# Altium PCB TEBF0808ASCII.PcbDoc (part 3 of 10) (continued)
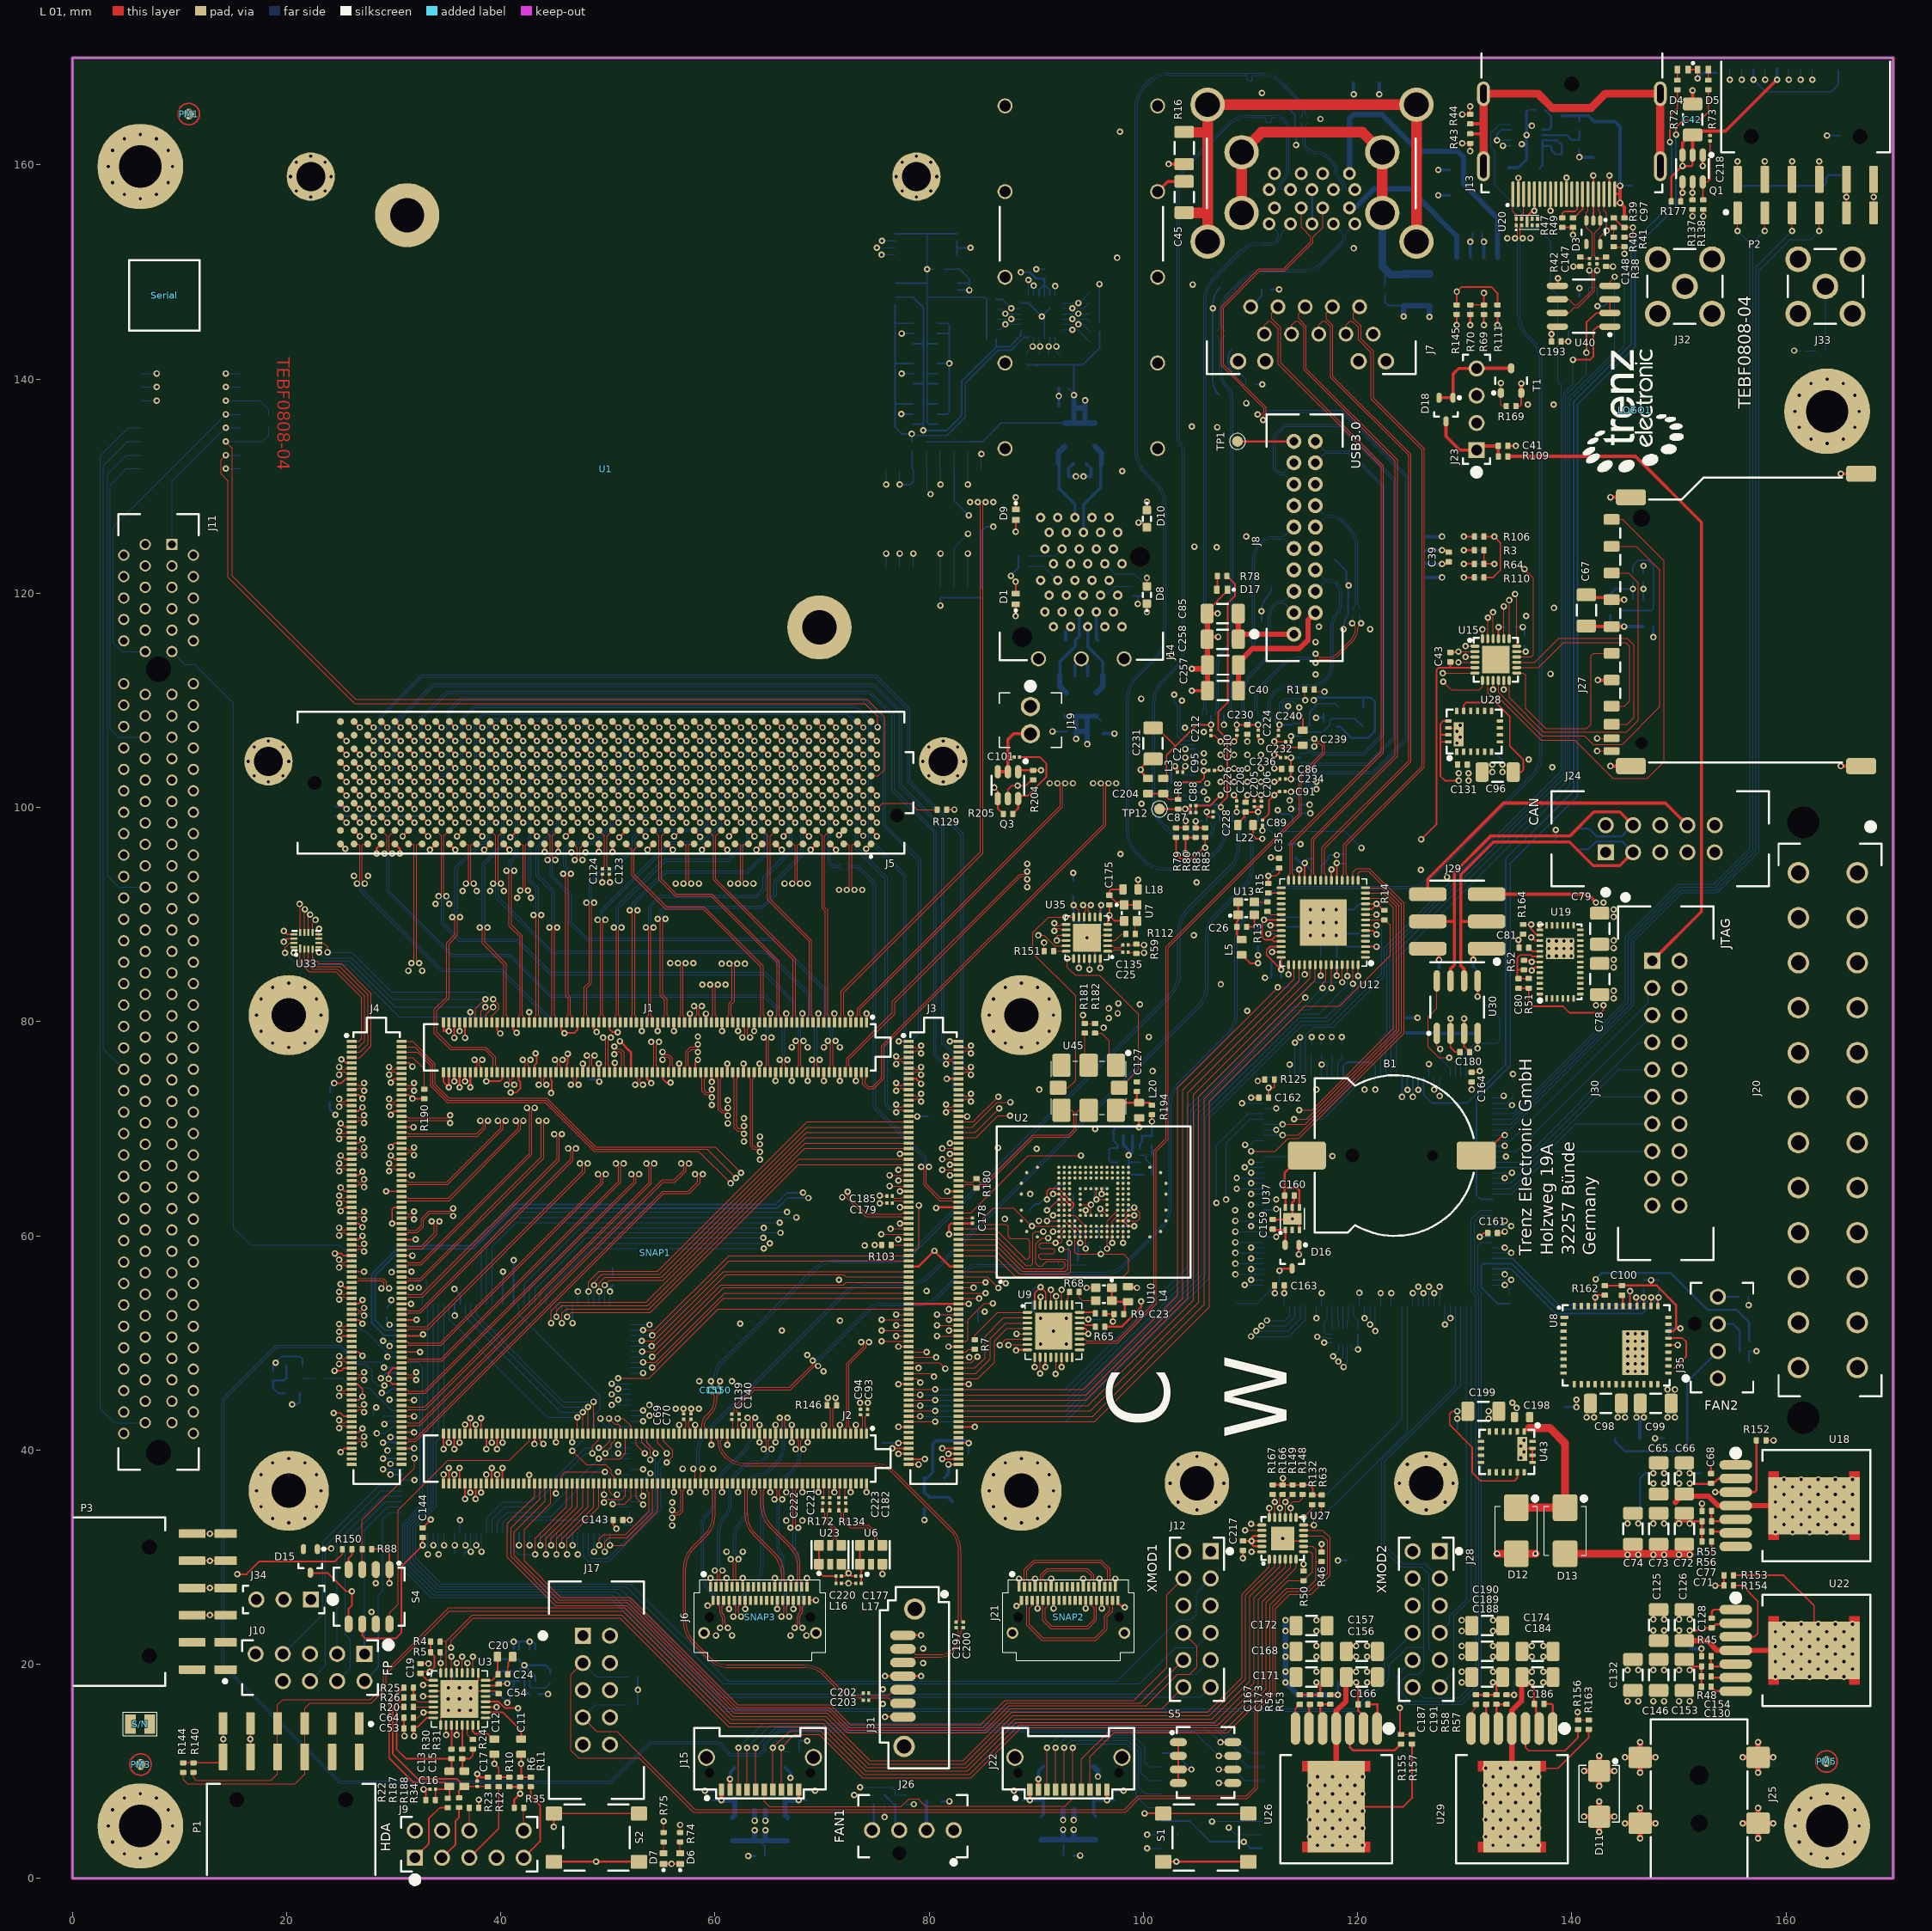
[diagram p0: L 01 view]
## Part data
B1: library part 25140
C1 C65 C66 C79 C99 C103 C105 C109 C111 C113 C117 C125 C126 C129 C137 C156 C157 C174 C184 C231: library part 24886, "KON 22µF X5R 25V SMD 10%"
C2 C3 C4 C5 C6 C7 C8 C9 C10 C16 C17 C25 C69 C70 C87 C89 C91 C93 C94 C95 C121 C122 C123 C124 C135 C139 C140 C147 C148 C150 C151 C152 C155 C176 C178 C179 C182 C185 C197 C200 C202 C203 C205 C210 C212 C221 C222 C223 C224 C226 C228 C232 C234 C236 C240: library part 24915, "KON 100nF 6.3V X5R SMD 10%"
C11 C12 C13 C15 C18 C20 C34 C48 C49 C51 C58 C59 C61 C63 C136 C204 C239: library part 22918, "KON 10µF 6,3V X5R SMD"
C14 C19 C21 C22 C23 C24 C26 C27 C28 C29 C30 C31 C33 C35 C37 C38 C43 C44 C46 C47 C50 C52 C53 C54 C57 C60 C62 C64 C75 C76 C97 C104 C106 C108 C110 C112 C114 C116 C118 C119 C120 C127 C130 C138 C141 C142 C143 C144 C145 C158 C161 C162 C163 C164 C165 C167 C169 C175 C180 C181 C183 C187 C193 C194 C195 C215 C217: library part 23659, "KON 470nF 6,3V X5R SMD"
C32 C36 C39 C41 C82 C86 C107 C115 C131 C159 C160 C196 C207 C208 C216 C230: library part 24719, "KON 4.7µF 6.3V X5R SMD 20%"
C40 C83 C84 C85 C257 C258 C259 C260: library part 26278, "KON 100µF 10V X5R SMD 20%"
C42 C67 C78 C96 C98 C199: library part 24557, "KON 47µF 6.3V  X5R SMD 20%"
C45 C149: library part 22679, "KON 100pF 1000V X7R 10%"
C55 C56 C72 C73 C74 C132 C146 C153 C168 C171 C172 C188 C189 C190: library part 23116, "KON 100µF 6,3V X5R SMD 20%"
C68 C81 C100 C128 C166 C186: library part 23916, "KON 33nF 25V X7R SMD"
C71 C77 C154 C170 C173 C191: library part 22768, "KON 220nF 16V X7R SMD"
C80 C261: library part 23951, "KON 15pF NPO 50V SMD"
C88 C101 C206 C218 C219: library part 26312, "KON 10nF X7R 10V SMD 10%"
C134 C214: library part 23752, "KON 1nF NP0 SMD 5%"
C177 C220: library part 24921, "KON 470nF X5R 6.3V SMD 20%"
C192: library part 23923, "KON 33nF 50V X7R SMD 10%"
C198: library part 25341, "KON 10µF 16V X5R SMD 20%"
C255 C256: library part 22597, "KON 10pF NPO 50V SMD 5%"
D1 D5 D7 D9: library part 24212, "LED Rot SML-P11UTT86 SMD"
D2: library part 26768
D3: library part 25362, "WE-TVS Array 82402374"
D4 D6 D17: library part 24211, "LED Grün SML-P11MTT86 SMD"
D8 D10: library part 25986
D11: library part 25534, "TVS, Unidirectional, 20V, 600W"
D12 D13: library part 24916, "B360B-13-F SMD"
D14: library part 27400
D15 D16 D18: library part 25051
J1 J2 J3 J4: library part 27219, "Samtec Ultra Fine Pitch Socket REF192552-01, 160 Pins"
J5: library part 24851, "ASP-134486-01 female, CC-HPC-10"
J6 J21: library part 27355, "UEC5-019-1-H-D-RA-1-A"
J7: library part 27271
J8: library part 27248, "Stiftleiste USB3 Wanne 19polig 0°"
J9: library part 27249, "Stiftleiste Intel HDA Header 9polig"
J10: library part 27250, "Stiftleiste Intel RST-LED Header 9polig"
J11: library part 23437, "PCIe-x16, 30µin, Twin Plastic, Black"
J12 J28: library part 26694
J13: library part 23865, "DisplayPort Verbinder, Buchse liegend"
J14: library part 27231, "SFP+ 2x1 Connector  Sp Fing 4LP EMI Enhanced"
J15 J22: library part 27354
J16: library part 26322, "microSD Memory Card Connector with Detect Switch"
J17 J24: library part 20125, "Stiftleiste Wanne 10polig"
J19: library part 25507, "Wire to board, 2 pol. header 0°"
J20: library part 23452, "ATX Main Connector 24pol."
J23: library part 23162, "Stiftleiste gerade 1-reihig, 4pol."
J25: library part 26873
J26 J35: library part 24942, "Stiftleiste 4 Pol. 7.5mm 2,54mm PC FAN"
J27: library part 24818, "MCC SD Socket"
J29: library part 22742, "Stiftleiste gerade 2-reihig, 6pol. SMD"
J30: library part 20127, "Stiftleiste Wanne 20polig"
J31: library part 25614, "SATA 7Pol. Connector Vertical"
J32 J33: library part 22825
J34: library part 22328, "Stiftleiste gerade 1-reihig, 3pol."
L1 L2 L6 L8 L9 L11 L12 L13 L14: library part 25265, "IND SMD 1µH +-20% 0.055Ohm"
L3 L4 L5 L7 L10 L15 L18 L19 L20 L21 L22: library part 22718, "Ferritdurchführung MPZ1608S221A"
L16 L17: library part 25393, "Ferritdurchführung SMD 0201"
LOGO1: library part 23748
M1: library part 25328
P1 P2 P3: library part 27149, "PMod 2x6 SMD Socket 90°"
PM1 PM2 PM3 PM4 PM5 PM6: library part 22905, "FIDU-DOT - SMALL 1mm"
Q1 Q2 Q3: library part 25004
R1 R3 R6 R10 R29 R34 R35 R64 R69 R70 R77 R81 R83 R85 R89 R90 R91 R92 R93 R94 R95 R96 R99 R106 R110 R111 R126 R129 R145 R153 R157 R158 R162 R163 R164 R169 R184 R199 R201 R202 R203: library part 22750, "WID SMD 10K 1% 0,063W"
R2 R14 R15 R17 R18 R21 R27 R33 R40 R41 R46 R50 R62 R63 R86 R87 R98 R107 R108 R113 R114 R115 R116 R117 R118 R119 R120 R121 R122 R123 R124 R127 R130 R131 R132 R140 R141 R142 R144 R148 R149 R159 R165 R166 R167 R173 R174 R179 R183 R185 R186 R196 R198: library part 22754, "WID SMD 4K99 1% 0,063W"
R4 R5 R25 R26 R71 R76 R135 R136: library part 25073, "WID SMD 2K 1% 0,063W"
R7 R13 R19 R68 R103 R112 R128 R151 R168 R189: library part 22770, "WID SMD 33R 1% 0,063W"
R8 R20 R24 R30 R31 R32 R43 R44 R79 R80 R109 R154 R155 R156 R160 R161 R177 R178 R181 R182 R187 R188 R194: library part 22738, "WID SMD 0R"
R9 R55 R65 R82: library part 25052, "WID SMD 8K06 1% 0,063W"
R11 R12 R28 R36 R37 R59 R60 R61 R146 R180 R197: library part 22507, "WID SMD 100R 1% 0,063W"
R16 R143: library part 22757, "WID SMD 1M 5% 0,25W"
R22 R23 R152: library part 24677, "WID SMD 49K9 1% 0,063W"
R38 R39 R42 R125 R192 R193: library part 22558, "WID SMD 100K 1% 0,063W"
R45 R53 R57 R66 R170: library part 22585, "WID SMD 4K7 1% 0,063W"
R47 R49: library part 22599, "WID SMD 1M 1% 0,063W"
R48 R54 R56 R58 R67 R72 R73 R74 R75 R78 R171: library part 22602, "WID SMD 1K5 1% 0,063W"
R51 R150: library part 26470, "WID SMD 147K 1% 0,063W"
R52: library part 26467, "WID SMD 105K 1% 0,063W"
R84 R97: library part 23135, "WID SMD 49R9 1% 0,063W"
R88 R137 R139 R191 R204: library part 22598, "WID SMD 12K 1% 0,063W"
R100 R133: library part 27515, "WID SMD 59R 2W 1%"
R101 R102 R104 R105: library part 22740, "WID SMD 249R 1% 0,063W"
R134 R172: library part 22503, "WID SMD 100R 1% 0,05W"
R138 R147 R205: library part 23846, "WID SMD 200K 1% 0,063W"
R190: library part 23661, "WID SMD 240R 1% 0,063W"
R195: library part 22758, "WID SMD 200R 1% 0,063W"
R200: library part 24678, "WID SMD 6K04 1% 0,063W"
S1 S2: library part 22596, "Taster Miniatur Leiterplatte 1.6N"
S4 S5: library part 23417, "DIP Schalter 4 fach 1,27mm SMD"
S/N: library part 27230
Serial: library part 26753
SNAP1: library part 27115, "TE0808 76x52mm Snap"
SNAP2 SNAP3: library part 27358
T1: library part 26613
TP1 TP2 TP3 TP4 TP5 TP6 TP7 TP8 TP9 TP10 TP11 TP12 TP13 TP15 TP18 TP19 TP28 TP29 TP30 TP31 TP32 TP33 TP36: library part 25063
U1: library part 25453, "FMC-MM-Single PCB Baseboard Snap"
U2: library part 25015
U3: library part 27279
U4: library part 27573, "CYUSB3324-88LTXC USB 3.0 Hub"
U5 U24: library part 22933
U6: library part 27516, "DSC1123CI2-100.0000T 100MHz LVDS clock"
U7 U13: library part 27228
U8: library part 25127
U9: library part 24992
U10: library part 25009, "SiT8008AI-73-XXS-52.000000E MEMS Oszillator 52MHz"
U11 U20 U49 U50 U51: library part 25369, "TVS UL Cap. 4xIOs ESD 3.3V"
U12: library part 24652
U14 U21: library part 27612
U15: library part 24904
U16 U27: library part 26513
U17 U39: library part 25915
U18 U22 U26 U29: library part 26051
U19: library part 24486
U23: library part 27517, "DSC1123CI2-150.0000 150MHz LVDS clock"
U25: library part 27547, "SiT8008BI-71-33S-24.576000 MEMS Oszillator 24.576000MHz"
U28 U43: library part 25492
U30: library part 27518, "TCAN337GDR  CAN Transceivers"
U31 U46: library part 25235
U32 U33: library part 27170
U34 U38 U44: library part 26502
U35: library part 25121, "SI5338A-B-GM"
U36 U41 U42: library part 26249
U37: library part 25062
U40: library part 26577
U45: library part 24194, "Si570 , LVDS , 2.5V , 250MHz"
U47: library part 22805
U48: library part 27029
Y1: library part 27574, "Quarz Crystal 26Mhz 10ppm 8pF -20C +70°C"

## Free pads (board coordinates)
  round 8 hole 3.96: C(6.35,159.84) F(163.83,136.98) H(6.35,4.9) J(163.83,4.9)

## Via types
v1: diameter 0.6, hole 0.3, L 01 to L 16, 2358 vias

## Nets (pads, with @x,y where several pads share a name; then routed paths per layer and width w, separated by ;. In a path a pad name is that pad's centre, name@x,y a point inside that pad or via, vN(x,y) a via of type N, cw(c..) or ccw(c..) an arc to the next point about the centre after c; other vN are vias at no path point)
1.2V: C96.1 C210.2 C212.2 C224.2 C226.2 C228.2 C230.1 C231.2 C240.2 L3.2 TP9.1 U4.12 U4.15 U4.18 U4.21 U4.44 U4.47 U4.53 U4.56 U4.59 U4.62 U4.67 U28.5 U28.6 U28.7 U28.15 | length 44.7
  L 01 w0.15: C231.2@100.9,107.425 101.275,107.425 102.988,105.713 ; L3.2@101.85,102.71 102.15,103.01 102.15,104.875 102.988,105.713 ; v1(105.91,99.59) 105.9,99.6 105.9,99.275 106.08,99.095 C228.2@106.5,99.095 ; C212.2@106.3,107.202 106.31,107.212 v1(106.31,107.71) 104.985,107.71 102.988,105.713 ; C226.2@108.7,100.098 108.7,99.6 v1(108.71,99.59) ; C210.2@108.725,107.227 108.71,107.242 v1(108.71,107.71) v1(110.71,107.71) 110.725,107.695 C224.2@110.725,107.202 ; C240.2@112.6,107.2 112.6,107.6 v1(112.71,107.71) ; U28.15@129.9,109 129.9,109.575 130.125,109.8 132.875,109.8 134.2,108.475 134.2,105.725 135.475,104.45 135.475,103.5 135.275,103.3 C96.1@134.525,103.3 134.525,103.45 C96.1@134.175,103.8
  L 16 w0.15: U4.44@104.775,107.85 105.4,107.85 105.54,107.71 v1(106.31,107.71) U4.47@106.31,108.585 ; U4.21@105.91,98.715 v1(105.91,99.59) 106.76,99.59 107.11,99.24 U4.18@107.11,98.715 ; U4.15@108.31,98.715 108.31,99.34 108.56,99.59 v1(108.71,99.59) 109.235,99.59 109.51,99.315 U4.12@109.51,98.715 ; v1(108.71,107.71) U4.53@108.71,108.585 ; U4.56@109.91,108.585 109.91,107.965 110.165,107.71 v1(110.71,107.71) 110.86,107.71 111.11,107.96 U4.59@111.11,108.585 ; U4.62@112.31,108.585 112.31,107.96 112.56,107.71 v1(112.71,107.71) 113.81,107.71 113.95,107.85 U4.67@114.645,107.85 ; TP9.1@132.775,105.15 133.525,104.4 v1(133.525,104)
  other v1: 133.525,103.3
1.8V: C14.1 C18.1 C19.1 C22.1 C27.1 C28.1 C43.1 C78.1 C80.1 C107.1 C108.1 C158.2 C215.2 C217.2 D16.1 J3.43 J3.44 J12.6 L5.1 L18.1 R4.2 R5.2 R14.1 R51.2 R89.1 R90.1 R91.1 R92.1 R93.1 R94.1 R95.1 R96.1 R99.1 R135.2 R136.2 R141.1 R142.1 R184.1 TP7.1 U2.AA3 U2.AA5 U2.H10 U2.J9 U2.K6 U2.K8 U2.W4 U2.Y4 U3.1 U9.28 U9.30 U9.32 U12.10 U12.11 U12.49 U12.52 U15.5 U16.21 U16.22 U16.23 U17.37 U17.51 U17.66 U19.5 U19.6 U19.7 U19.8 U19.9 U19.10 U19.11 U27.18 U27.21 U27.22 U27.23 U39.7 U39.16 U39.30 U39.37 U39.51 U39.66 | length 109.9
  L 01 w0.1: U9.28@91.85,53.54 v1(91.85,54.35)
  L 01 w0.15: R4.2@33.455,22.1 R5.2@33.455,21.125 33.8,20.78 33.8,19.7 v1(33.4,19.3) 32.65,19.3 C19.1@32.5,19.15 33.15,18.5 U3.1@33.7,18.5 ; v1(77.26,67.653) J3.43@78.07,67.653 ; v1(81.93,67.653) J3.44@82.74,67.653 ; U9.32@89.85,53.54 89.85,54.65 v1(90.4,55.2) 90.875,54.725 90.875,53.565 U9.30@90.85,53.54 ; v1(91,63.4) 91,64.15 91.25,64.4 U2.H10@92.1,64.4 U2.K8@93.1,63.4 93.45,63.05 93.45,62.75 U2.K6@93.1,62.4 ; U2.W4@97.6,61.4 U2.Y4@98.1,61.4 ; v1(99.15,60.9) U2.AA3@98.6,60.9 U2.Y4@98.1,61.4 ; v1(99.15,61.9) U2.AA5@98.6,61.9 U2.Y4@98.1,61.4 ; L5.1@109.175,86.24 109.965,85.45 v1(110.7,85.45) ; U27.18@111.75,33.7 v1(111.75,34.575) ; v1(116.55,84.3) U12.49@116.55,85.31 ; v1(118.05,84.3) U12.52@118.05,85.31 ; U12.10@120.74,90.5 121.325,90.5 121.8,90.975 121.8,91 122.405,90.395 R14.1@122.5,90.395 ; U12.11@120.74,91 v1(121.75,91) ; v1(125.925,97.025) 127.375,98.475 127.375,112.85 127.575,113.05 128.65,113.05 ; C43.1@128.65,113.575 128.65,113.05 ; U15.5@130.95,113.05 128.65,113.05 ; C80.1@135.035,83.13 C80.1@135.025,83.12 135.965,83.12 R51.2@135.975,83.13 135.975,81.875 136.425,81.425 139.2,81.425 139.8,80.825 142.7,80.825 142.95,81.075 v1(142.95,81.525)
  L 01 w0.2: L18.1@99.51,92.35 v1(99.51,93.24) ; C217.2@109.3,31.525 109.325,31.5 v1(110.1,31.5) ; U27.23@111.05,31 110.325,31 110.1,31.225 v1(110.1,31.5) ; U27.22@111.05,31.5 v1(110.1,31.5) ; U27.21@111.05,32 110.3,32 110.1,31.8 v1(110.1,31.5) ; v1(114.525,58.275) D16.1@114.525,59.15
  L 16 w0.1: U39.30@47.2,53.62 v1(47.2,54.79) ; v1(50.95,44.7) U39.51@52.12,44.7 ; U39.37@52.12,51.7 v1(53.89,51.7) ; C22.1@91.85,53.7 v1(91.85,54.35) ; v1(109.46,55.4) U17.37@111.23,55.4 ; U17.66@111.23,69.9 v1(112.4,69.9)
  L 16 w0.15: v1(33.4,19.3) 34.07,19.3 C18.1@34.18,19.19 ; v1(35.7,52.55) U39.7@35.7,53.62 ; U39.16@40.2,53.62 v1(40.2,56.65) ; U39.66@52.12,37.2 53.351,37.2 v1(53.969,37.817) ; R135.2@52.79,16.225 52.795,16.23 v1(52.795,17.6) R136.2@52.795,18.825 ; R142.1@84.545,51.975 R141.1@84.545,52.925 v1(85.175,52.925) ; R90.1@89.325,62.37 89.93,62.975 C107.1@90.25,62.975 90.675,63.4 v1(91,63.4) ; C158.2@89.6,54.85 89.95,55.2 v1(90.4,55.2) ; U16.21@90.26,147.8 90.26,148.315 90.59,148.645 90.76,148.645 ; U16.22@90.76,147.8 90.76,148.645 ; U16.23@91.26,147.8 91.26,148.295 90.91,148.645 90.76,148.645 ; R99.1@93.445,63.85 R92.1@93.445,62.95 R91.1@93.445,62 R94.1@93.445,61.05 R93.1@93.445,60.1 94.1,60.1 94.395,60.395 R96.1@94.9,60.395 94.97,60.395 95.4,60.825 R184.1@95.825,60.825 ; R95.1@95.825,59.97 R184.1@95.825,60.825 ; R184.1@95.825,60.83 R184.1@95.825,60.825 ; v1(99.15,60.9) 98.425,60.9 ; v1(99.15,61.9) 98.5,61.9 C108.1@98.425,61.825 98.425,60.9 ; U17.51@111.23,62.4 112.3,62.4 v1(112.4,62.5) ; v1(116.55,84.3) C27.1@116.55,85.157 ; v1(118.05,84.3) C28.1@118.05,85.107 ; TP7.1@142.6,82.525 142.95,82.175 v1(142.95,81.525) ; R184.1@95.825,60.825 98.35,60.825 98.425,60.9
  L 16 w0.2: v1(88.55,149.955) 89.425,149.955 90.025,149.355 C215.2@90.775,149.355 ; C215.2@90.625,149.205 C215.2@90.775,149.355 ; 90.775,148.66 C215.2@90.775,149.355 ; C14.1@121.05,91 v1(121.75,91)
  other v1: 142.25,81.525 143.9,82.175 143.9,82.875
1.8V_EN: R164.2 U19.27 U39.106 | length 151.8
  L 01 w0.15: R164.2@135.5,89.075 v1(136.2,89.075) 136.2,88.625 136.75,88.075 U19.27@137,88.075
  L 05 S w0.1: v1(33.7,31.11) 33.7,32.575 33.975,32.85 33.975,37.975 35.325,39.325 35.975,39.325 37.9,41.25 75.725,41.25 76.153,41.678 81.228,41.678 84.567,45.017 100.267,45.017 113.15,57.9 114.264,57.9 114.339,57.825 114.711,57.825 114.786,57.9 135,57.9 136.75,59.65 136.75,88.525 v1(136.2,89.075)
  L 16 w0.1: v1(33.7,31.11) U39.106@33.7,32.28
3.3V_MOD: C130.1 C132.1 C146.1 C153.1 J1.151 J1.153 J1.155 J1.157 J1.159 J2.138 J2.140 J2.142 J2.144 J2.153 J2.154 J2.155 J2.156 J2.157 J2.158 J2.159 J2.160 J3.157 J3.158 J3.159 J3.160 L1.2 R45.1 TP4.1 U22.7 | length 30.1
  L 01 w0.15: J2.160@34.655,36.868 v1(34.655,37.7) ; v1(34.655,40.095) J2.159@34.655,41.538 ; J2.158@35.155,36.868 v1(35.155,38.311) ; v1(35.155,40.705) J2.157@35.155,41.538 ; v1(35.155,79.105) J1.157@35.155,79.938 ; J2.156@35.655,36.868 v1(35.655,37.7) ; v1(35.655,40.095) J2.155@35.655,41.538 ; v1(35.655,78.495) J1.155@35.655,79.938 ; J2.154@36.155,36.868 v1(36.155,38.311) ; v1(36.155,40.705) J2.153@36.155,41.538 ; v1(36.155,79.105) J1.153@36.155,79.938 ; v1(36.655,78.495) J1.151@36.655,79.938 ; J2.144@38.655,36.868 v1(38.655,37.7) ; J2.142@39.155,36.868 v1(39.155,38.311) ; J2.140@39.655,36.868 v1(39.655,37.7) ; J2.138@40.155,36.868 v1(40.155,38.311) ; J3.159@78.07,38.653 v1(79.013,38.653) ; J3.157@78.07,39.153 v1(79.588,39.153) ; v1(81.223,39.153) J3.158@82.74,39.153 ; v1(81.798,38.653) J3.160@82.74,38.653
  L 01 w0.2: J1.159@34.655,79.938 34.655,79.147 34.697,79.105 v1(35.155,79.105) ; R45.1@152.105,20.75 v1(152.105,21.45) ; C130.1@153,17.9 153.42,17.48 U22.7@155.3,17.48
  L 16 w0.3: L1.2@81.4,37.39 81.798,37.788 v1(81.798,38.653) ; TP4.1@151.05,21.45 v1(152.105,21.45)
  other v1: 145.2,16.55 146.2,16.55 147.6,16.55 148.6,16.55 150,16.55 151,16.55
3.3V_PCI: C47.1 C48.1 C57.1 C58.1 C167.1 C168.1 C171.1 C172.1 J11.A9 J11.A10 J11.B8 J11.B10 L8.1 L9.1 L11.1 L12.1 R18.2 R21.2 R53.1 R86.2 R87.2 R107.2 R108.2 R113.2 R114.2 R115.2 R117.2 R118.2 R119.1 R120.1 R121.2 R122.2 R123.2 R124.2 R127.2 TP5.1 U26.7 | length 68.2
  L 01 w0.15: U26.7@114.19,14 114.19,15.84 C167.1@114.6,16.25
  L 01 w0.2: R53.1@117.45,17.145 v1(118.15,17.145)
  L 16 w0.15: R122.2@79.75,134.12 83.575,134.12 R127.2@83.6,134.145 84.97,134.145 86.715,135.89 L12.1@92.66,135.89 ; v1(81.05,118.85) R114.2@81.05,119.58 R87.2@82.325,119.58 R108.2@83.6,119.58 R117.2@84.875,119.58 ; v1(87.625,121.625) 87.625,121.7 88.33,122.405 R113.2@88.33,122.525 88.33,123.495 R118.2@88.325,123.5 ; R121.2@89.15,141.335 R115.2@90.15,141.335 ; R115.2@90.01,141.195 R115.2@90.15,141.335 ; C57.1@93,139.15 v1@93.51,138.64 ; v1(93.51,138.49) v1@93.51,138.64 ; 93.51,141.335 v1@93.51,138.64 ; L9.1@95.6,108.51 L9.1@96.01,108.1 ; R119.1@95.9,144.425 95.9,142.88 94.355,141.335 R18.2@92.16,141.335 R21.2@91.16,141.335 R115.2@90.15,141.335 ; R107.2@98.975,119.755 99.475,119.755 ; v1(99.475,119) 99.475,119.755 ; R123.2@99.925,119.755 99.475,119.755
  L 16 w0.2: v1(118.15,17.145) TP5.1@118.15,18.3
  L 16 w0.5: L12.1@92.66,135.89 L12.1@93.51,135.89 ; L8.1@92.8,108.51 L8.1@93.56,108.51 ; v1(93.51,138.49) C58.1@93.51,137.5 ; v1(93.71,106.4) C47.1@93.71,107.1 ; v1(94.55,138) 94.55,137.3 ; v1(94.75,105.91) C48.1@94.75,106.9 ; L11.1@95.46,135.89 L11.1@94.7,135.89 ; L9.1@95.6,108.51 L9.1@94.75,108.51 ; v1(113.26,24.1) v1(113.26,23.1) v1(113.26,21.7) v1(113.26,20.7) v1(113.26,19.3) v1(113.26,18.3) 114.415,17.145 v1(118.15,17.145) ; L12.1@93.51,135.89 C58.1@93.51,137.5 ; L12.1@93.51,135.89 L11.1@94.7,135.89 ; C58.1@93.51,137.5 93.71,137.3 94.55,137.3 ; L8.1@93.56,108.51 93.71,108.36 C47.1@93.71,107.1 ; L8.1@93.56,108.51 L9.1@94.75,108.51 ; C47.1@93.71,107.1 94.55,107.1 C48.1@94.75,106.9 ; 94.55,137.3 94.55,136.04 L11.1@94.7,135.89 ; C48.1@94.75,106.9 L9.1@94.75,108.51
3.3V_PER: C2.1 C21.1 C35.2 C86.2 C103.2 C104.2 C111.2 C112.2 C115.1 C116.1 C131.1 C136.1 C138.1 C169.1 C180.2 C181.2 C187.1 C188.1 C189.1 C190.1 C193.1 C232.2 C234.2 C236.2 C239.1 J5.C39 J5.D32 J5.D36 J5.D38 J5.D40 L2.1 L4.1 L6.1 L7.1 L10.2 L13.1 L14.1 L15.2 L16.1 L17.1 L20.2 L22.1 P1.6 P1.12 P2.6 P2.12 P3.6 P3.12 Q1.4 Q2.4 R2.2 R3.1 R17.1 R29.2 R33.1 R38.1 R46.1 R50.1 R57.1 R62.2 R63.1 R64.1 R69.1 R70.1 R71.2 R76.2 R106.1 R110.1 R111.1 R116.2 R126.2 R129.1 R130.1 R131.1 R132.1 R138.2 R140.1 R144.1 R145.1 R147.2 R148.1 R149.1 R158.1 R165.1 R166.1 R167.1 R173.1 R174.1 R177.1 R178.1 R179.1 R201.1 R202.1 R203.1 TP8.1 U2.H9 U2.J8 U2.K7 U2.M6 U2.N5 U2.T10 U2.U9 U4.34 U4.66 U4.70 U4.75 U4.80 U4.88 U5.1 U5.8 U9.20 U9.21 U12.36 U24.3 U24.8 U28.1 U28.2 U28.17 U28.19 U28.20 U29.7 U30.3 U32.14 U33.13 U34.3 U34.16 U36.4 U36.6 U38.1 U38.2 U38.3 U38.16 U40.8 U41.5 U41.6 U42.6 U44.2 U44.3 U44.16 U47.4 U47.6 | length 210
  L 01 w0.1: v1(7.88,140.52) v1@7.9,140.54 ; P3.12@11.185,32.2 v1(12.835,32.2) P3.6@14.315,32.2 ; P1.12@14.08,11.35 v1(14.08,13) P1.6@14.08,14.48 ; v1@14.3,137.96 v1(14.32,137.98) ; v1@14.3,139.23 v1(14.32,139.25) ; v1@14.3,140.5 v1(14.32,140.52) ; L16.1@71.802,27.55 v1(72.475,27.55) L17.1@73.148,27.55 ; v1@75.96,123.725 v1(75.98,123.705) ; v1(77.25,130.145) v1@77.27,130.125 ; v1@111.725,95.15 v1(111.9,95.325) ; 130.65,15.55 131.05,15.95 C187.1@131.05,16.25 ; C193.1@138.1,143.5 C193.1@138.105,143.495 ; P2.6@168.175,155.51 v1(168.175,156.99) P2.12@168.175,158.64
  L 01 w0.15: R144.1@10.35,10.795 R140.1@11.3,10.795 P1.12@14.15,10.795 ; v1(19.75,88.45) 20.05,88.15 U33.13@20.675,88.15 ; R129.1@81.62,99.8 v1(82.35,99.8) ; v1(91.55,63.9) U2.H9@92.1,63.9 U2.J8@92.6,63.4 U2.K7@93.1,62.9 ; U9.20@94.04,50.85 v1(94.85,50.85) 94.85,51.05 94.55,51.35 U9.21@94.04,51.35 ; U2.M6@94.1,62.4 v1(94.6,62.4) U2.N5@94.6,61.9 ; U2.T10@96.1,64.4 v1(96.1,63.9) U2.U9@96.6,63.9 ; C2.1@103.675,103.3 103.675,103.625 v1(103.9,103.85) ; L22.1@110.235,98.35 110.235,97.365 110.525,97.075 v1(111.1,97.075) ; v1(111.85,89) U12.36@112.86,89 ; v1(111.9,95.325) 111.975,95.25 C35.2@112.675,95.25 ; R166.1@113,36.745 R148.1@114.85,36.745 115.505,36.745 115.8,36.45 115.8,35.795 R63.1@116.65,35.795 R63.1@116.725,35.795 ; C234.2@113.252,102.65 v1(113.77,102.65) v1(113.77,104.65) C236.2@113.302,104.65 ; v1(113.77,106.65) 113.78,106.64 C232.2@113.78,106.125 ; v1(114.535,108.585) 114.875,108.245 C239.1@114.875,107.21 ; R50.1@114.95,28.695 v1(114.95,29.35) ; U28.20@128.475,106.125 127.725,106.125 ; U28.19@128.475,106.775 127.725,106.775 ; U28.17@128.475,108.075 128,108.075 127.725,107.8 127.725,106.775 ; R145.1@129.245,146.92 129.245,148.145 v1(129.25,148.15) 129.7,148.6 132.475,148.6 133.055,148.02 R111.1@133.055,146.92 ; v1(129.45,102.5) 128.15,102.5 127.725,102.925 127.725,106.125 ; v1(129.45,103.2) v1@129.45,103.375 ; v1(129.935,80.285) U30.3@129.935,78.9 129.935,77.665 C180.2@130.45,77.15 ; R70.1@130.515,146.92 R69.1@131.785,146.92 v1(131.785,148.035) ; R110.1@131.795,121.47 132.645,121.47 133.325,122.15 133.325,124.71 v1(132.755,125.28) R106.1@131.795,125.28 ; R3.1@131.795,124.01 R64.1@131.795,122.74 v1(132.76,122.74) ; R38.1@143.2,150.505 v1(143.85,150.505) ; R177.1@150.17,156.575 150.17,157.245 v1(150.325,157.4) ; v1(152.275,155.2) R138.2@152.275,155.83 ; 127.725,106.125 127.725,106.775
  L 01 w0.2: J5.D40@25.036,100.395 v1(25.585,99.846) ; J5.C39@26.306,99.125 v1(26.855,98.576) ; J5.D38@27.576,100.395 v1(28.125,99.846) ; J5.D36@30.116,100.395 v1(30.665,99.846) ; J5.D32@35.196,100.395 v1(35.745,99.846) ; L4.1@98.55,55.26 98.66,55.15 v1(99.4,55.15) ; v1(99.6,70.15) L20.2@99.6,71.015 ; R167.1@112.075,36.745 R166.1@113,36.745 113.025,36.77 v1(113.025,37.375) ; R46.1@116.625,30.47 v1(116.625,31.225) ; R57.1@133.9,17.145 v1(134.6,17.145) ; C193.1@138.1,143.5 v1(138.1,144.2) 138.1,144.7 138.472,145.072 U40.8@138.65,144.895
  L 01 w0.3: v1(150.325,157.4) Q1.4@150.325,158.395
  L 03 S w0.15: v1(131.785,148.035) v1@131.8,148.05 ; v1(132.755,125.28) v1@132.775,125.3
  L 16 w0.1: U38.16@6.45,140.52 v1(7.88,140.52) ; v1(14.32,137.98) U38.3@15.75,137.98 17.5,137.98 18.335,137.145 R126.2@18.335,136.514 ; v1(14.32,139.25) U38.2@15.75,139.25 ; v1(14.32,140.52) U38.1@15.75,140.52 ; R29.2@75.825,6.905 75.825,5.729 v1(75.829,5.725) ; U44.16@75.98,122.275 v1(75.98,123.705) ; v1(77.25,130.145) U44.2@77.25,131.575 ; R203.1@102.605,100.5 R202.1@102.605,101.4 102.2,101.805 102.2,104 102.5,104.3 103.45,104.3 ; R201.1@103.075,104.955 103.075,104.675 103.45,104.3 ; v1(103.9,103.85) 103.45,104.3 ; v1(116.225,50.575) 117,50.575 117.15,50.425 U32.14@117.675,50.425 ; v1(134.6,17.145) TP8.1@134.6,18.4
  L 16 w0.15: R2.2@24.55,100.095 25.336,100.095 v1(25.585,99.846) ; C103.2@64.2,3.5 64.65,3.05 C104.2@64.65,2.1 ; R17.1@67.845,11.85 R33.1@67.845,12.85 v1(68.6,12.85) ; U5.8@76.8,153.55 79.8,153.55 ; U24.8@76.875,148.95 79.8,148.95 ; v1(77.25,130.145) 78.22,130.145 78.52,130.445 U44.3@78.52,131.575 78.4,131.695 R174.1@78.4,133.23 ; C138.1@80.45,150.25 v1(79.8,150.25) ; U36.6@80.775,135.775 80,135.775 79.8,135.975 79.8,137.675 ; U36.4@80.775,137.675 79.8,137.675 ; U41.6@80.8,139.55 79.8,139.55 ; U41.5@80.8,140.5 79.8,140.5 ; U42.6@80.8,143.3 79.8,143.3 ; U5.1@82.6,153.55 79.8,153.55 ; R173.1@85.355,143.73 R62.2@85.355,144.655 R116.2@85.355,145.605 R76.2@85.355,146.525 R71.2@85.355,147.425 85.13,147.65 U24.3@82.675,147.65 79.8,147.65 ; v1(91.55,63.9) 91.55,64.35 91.95,64.75 C115.1@92.55,64.75 ; C112.2@92.55,2.15 C111.2@92.55,3.16 ; C21.1@94.2,50.87 94.83,50.87 v1(94.85,50.85) ; R165.1@95.895,145.33 R130.1@95.895,147.155 R131.1@95.895,148.08 v1(95.895,148.86) ; v1(96.1,63.9) 96.325,64.125 C116.1@96.325,64.625 ; U47.4@97.575,66.875 96.95,66.875 96.8,67.025 96.8,68.025 96.95,68.175 U47.6@97.575,68.175 ; U34.3@101.775,5.355 104.295,5.355 106.225,3.425 v1(109.375,3.425) ; v1(103.9,103.85) U4.34@104.775,103.85 ; C136.1@110.51,88.35 110.51,88.46 111.05,89 v1(111.85,89) 112.35,89 C169.1@112.5,88.85 ; v1(113.77,102.65) U4.80@114.645,102.65 ; v1(113.77,104.65) U4.75@114.645,104.65 ; v1(113.77,106.65) U4.70@114.645,106.65 ; U4.66@113.91,108.585 v1(114.535,108.585) ; U4.88@114.645,99.45 v1(115.575,99.45) ; Q2.4@145.7,119.405 v1(145.7,120.4) R147.2@145.7,121.03 ; 79.8,137.675 79.8,139.55 ; 79.8,139.55 79.8,140.5 ; 79.8,140.5 79.8,143.3 ; 79.8,143.3 79.8,147.65 ; 79.8,147.65 79.8,148.95 ; 79.8,148.95 v1(79.8,150.25) ; v1(79.8,150.25) 79.8,153.55
  L 16 w0.2: v1(20.525,44.25) 20.975,44.25 21.235,44.51 L15.2@21.235,45.3 ; L10.2@93.45,93.11 v1(93.45,93.875) ; U47.6@97.575,68.175 97.575,68.5 97.225,68.85 C181.2@97.225,69.325 97.225,69.9 97.475,70.15 v1(99.6,70.15) ; v1(109.375,3.425) 109.985,2.815 U34.16@111.075,2.815 ; v1(111.9,95.325) L7.1@112.765,95.325 ; R158.1@140.705,147.7 v1(140.705,148.495) ; R178.1@143.575,118.845 143.575,119.9 144.075,120.4 v1(145.7,120.4)
  L 16 w0.5: L2.1@61.65,3.51 L6.1@66.75,3.51 ; C103.2@63.7,3.56 v1(63.7,4.5) ; C103.2@64.7,3.56 v1(64.7,4.5) ; L13.1@90.45,3.61 C111.2@92.5,3.61 ; v1(92.5,4.55) C111.2@92.5,3.61 ; v1(93.5,4.55) C111.2@93.5,3.61 ; L14.1@95.55,3.61 C111.2@93.5,3.61 ; C111.2@92.5,3.61 C111.2@93.5,3.61
  other v1: 129.73,18.3 129.73,19.3 129.73,20.7 129.73,21.7 129.73,23.1 129.73,24.1
3.3V_SD_A: C42.1 C46.2 C218.1 J16.4 Q1.2 Q1.3 R177.2 U15.21 | length 74.3
  L 01 w0.15: U15.21@133.15,115.75 v1(133.15,116.825) ; C218.1@152.9,162.73 152.9,163.15
  L 01 w0.2: R177.2@149.28,156.575 149.28,158.855 v1(150.325,159.9) ; Q1.3@150.325,160.905 v1(150.325,159.9) ; Q1.2@151.275,160.905 151.275,160 151.175,159.9 v1(150.325,159.9)
  L 01 w0.3: Q1.3@150.325,160.905 150.325,162.05 151.05,162.775 C42.1@151.275,162.775 ; Q1.2@151.275,160.905 C42.1@151.275,162.775 ; v1(159.15,167.95) 154.35,163.15 152.9,163.15 151.65,163.15 C42.1@151.275,162.775
  L 09 P w0.3: v1(133.15,116.825) 141.65,125.325 141.65,139.55 145.175,143.075 145.175,151.025 149.525,155.375 149.525,159.1 v1(150.325,159.9)
  L 16 w0.15: v1(133.15,116.825) 133.175,116.85 C46.2@133.825,116.85
  L 16 w0.3: v1(159.15,167.95) 159.155,167.945 J16.4@159.155,168.95
3.3V_SD_B: C67.1 C165.2 C219.1 J27.4 Q2.2 Q2.3 R178.2 U15.17 | length 20.4
  L 01 w0.15: U15.17@134.85,114.55 v1@135.85,114.55
  L 01 w0.3: C67.1@141.35,116.95 141.415,116.885 J27.4@143.71,116.885 v1(144.885,116.885)
  L 03 S w0.15: v1@135.85,114.55 138.185,116.885 v1(144.885,116.885)
  L 16 w0.15: C165.2@135.575,115.15 135.575,114.852 ccw(c136.002,114.852) v1(135.7,114.55) ; C219.1@144.45,117.873 144.45,117.32 v1(144.885,116.885)
  L 16 w0.2: R178.2@143.575,117.955 143.575,117.15 143.84,116.885 v1(144.885,116.885)
  L 16 w0.3: v1(144.885,116.885) 144.895,116.895 Q2.3@145.7,116.895 Q2.2@146.65,116.895
3V3SB: C141.1 C142.1 C143.1 C144.1 C161.1 C162.1 C163.1 C164.1 C199.1 J12.5 J28.5 J28.6 J30.1 R81.1 R109.1 R183.1 R199.2 S4.6 TP10.1 U17.7 U17.16 U17.30 U17.36 U17.72 U17.79 U17.88 U17.102 U17.108 U17.118 U17.123 U17.135 U17.144 U39.36 U39.72 U39.79 U39.88 U39.102 U39.108 U39.118 U39.123 U39.135 U39.144 U43.5 U43.6 U43.7 U43.15 | length 146.7
  L 01 w0.1: v1(130.65,73.65) C164.1@130.65,74.37
  L 01 w0.15: S4.6@27.065,23.76 27.065,22.66 27.3,22.425 30.2,22.425 30.725,22.95 30.725,29.135 v1(32.7,31.11) ; C143.1@51.4,33.45 v1(52.05,33.45) ; v1(113.15,54.65) C163.1@113.15,55.375 ; v1@129.294,43.616 128.834,43.616 128.584,43.366 128.584,42.366 130.684,40.266 130.684,37.916 131.484,37.116 134.634,37.116 134.899,37.381 U43.15@134.899,37.926 ; v1(131.4,59.9) 131.75,60.25 C161.1@132.15,60.25
  L 01 w0.2: v1(32.7,31.11) C144.1@32.7,31.83 ; v1(110.06,72.9) C162.1@110.78,72.9
  L 01 w0.3: R109.1@134.02,132.775 145.95,132.775 152.1,126.625 152.1,90.275 J30.1@147.505,85.68
  L 16 w0.1: v1(32.7,31.11) U39.108@32.7,32.28 ; R81.1@35.655,30.3 35.7,30.345 v1(35.7,31.11) U39.102@35.7,32.28 ; v1(42.7,31.11) U39.88@42.7,32.28 ; v1@47.2,30.51 U39.79@47.2,32.28 ; U39.36@50.2,53.62 v1(50.2,54.79) ; v1(52.05,33.45) 52.05,34.13 U39.72@52.12,34.2 ; v1(110.06,72.9) U17.72@111.23,72.9 ; U17.36@113.15,53.48 v1(113.15,54.65) ; v1(116.15,52.31) U17.30@116.15,53.48 ; v1(116.15,73.65) U17.79@116.15,74.82 ; v1(120.65,73.65) U17.88@120.65,74.82 ; U17.16@123.15,53.48 v1(123.15,54.65) ; U17.7@127.65,53.48 v1(127.65,55.25) ; v1(127.65,73.05) U17.102@127.65,74.82 ; v1(130.65,73.65) U17.108@130.65,74.82 ; U17.144@132.57,55.4 v1(133.74,55.4) 134.175,54.965 R183.1@134.175,54.545 ; U17.123@132.57,65.9 v1(134.4,65.9)
  L 16 w0.15: v1(28.8,46.7) 29.3,47.2 U39.135@30.78,47.2 ; C141.1@29.27,52.4 C141.1@29.35,52.4 29.35,51.96 v1(29.61,51.7) U39.144@30.78,51.7 ; v1(29.71,38.7) U39.118@30.78,38.7 ; v1(29.71,41.2) U39.123@30.78,41.2 ; v1(131.4,59.9) U17.135@132.57,59.9 ; U17.118@132.57,68.4 v1(133.74,68.4)
  L 16 w0.2: v1(50.2,54.79) 50.2,55.15 C142.1@50.45,55.4 ; TP10.1@129.294,41.956 v1(129.294,42.926) ; v1(142.225,55.95) 142.825,56.55 149.2,56.55 152.675,53.075 155.4,53.075 156.545,51.93 R199.2@156.545,50.2
  other v1: 47.2,30.26 129.294,43.626